# EAGLE board Mk4 Final a Panel score (EAGLE 9.0.1), part 13 of 24
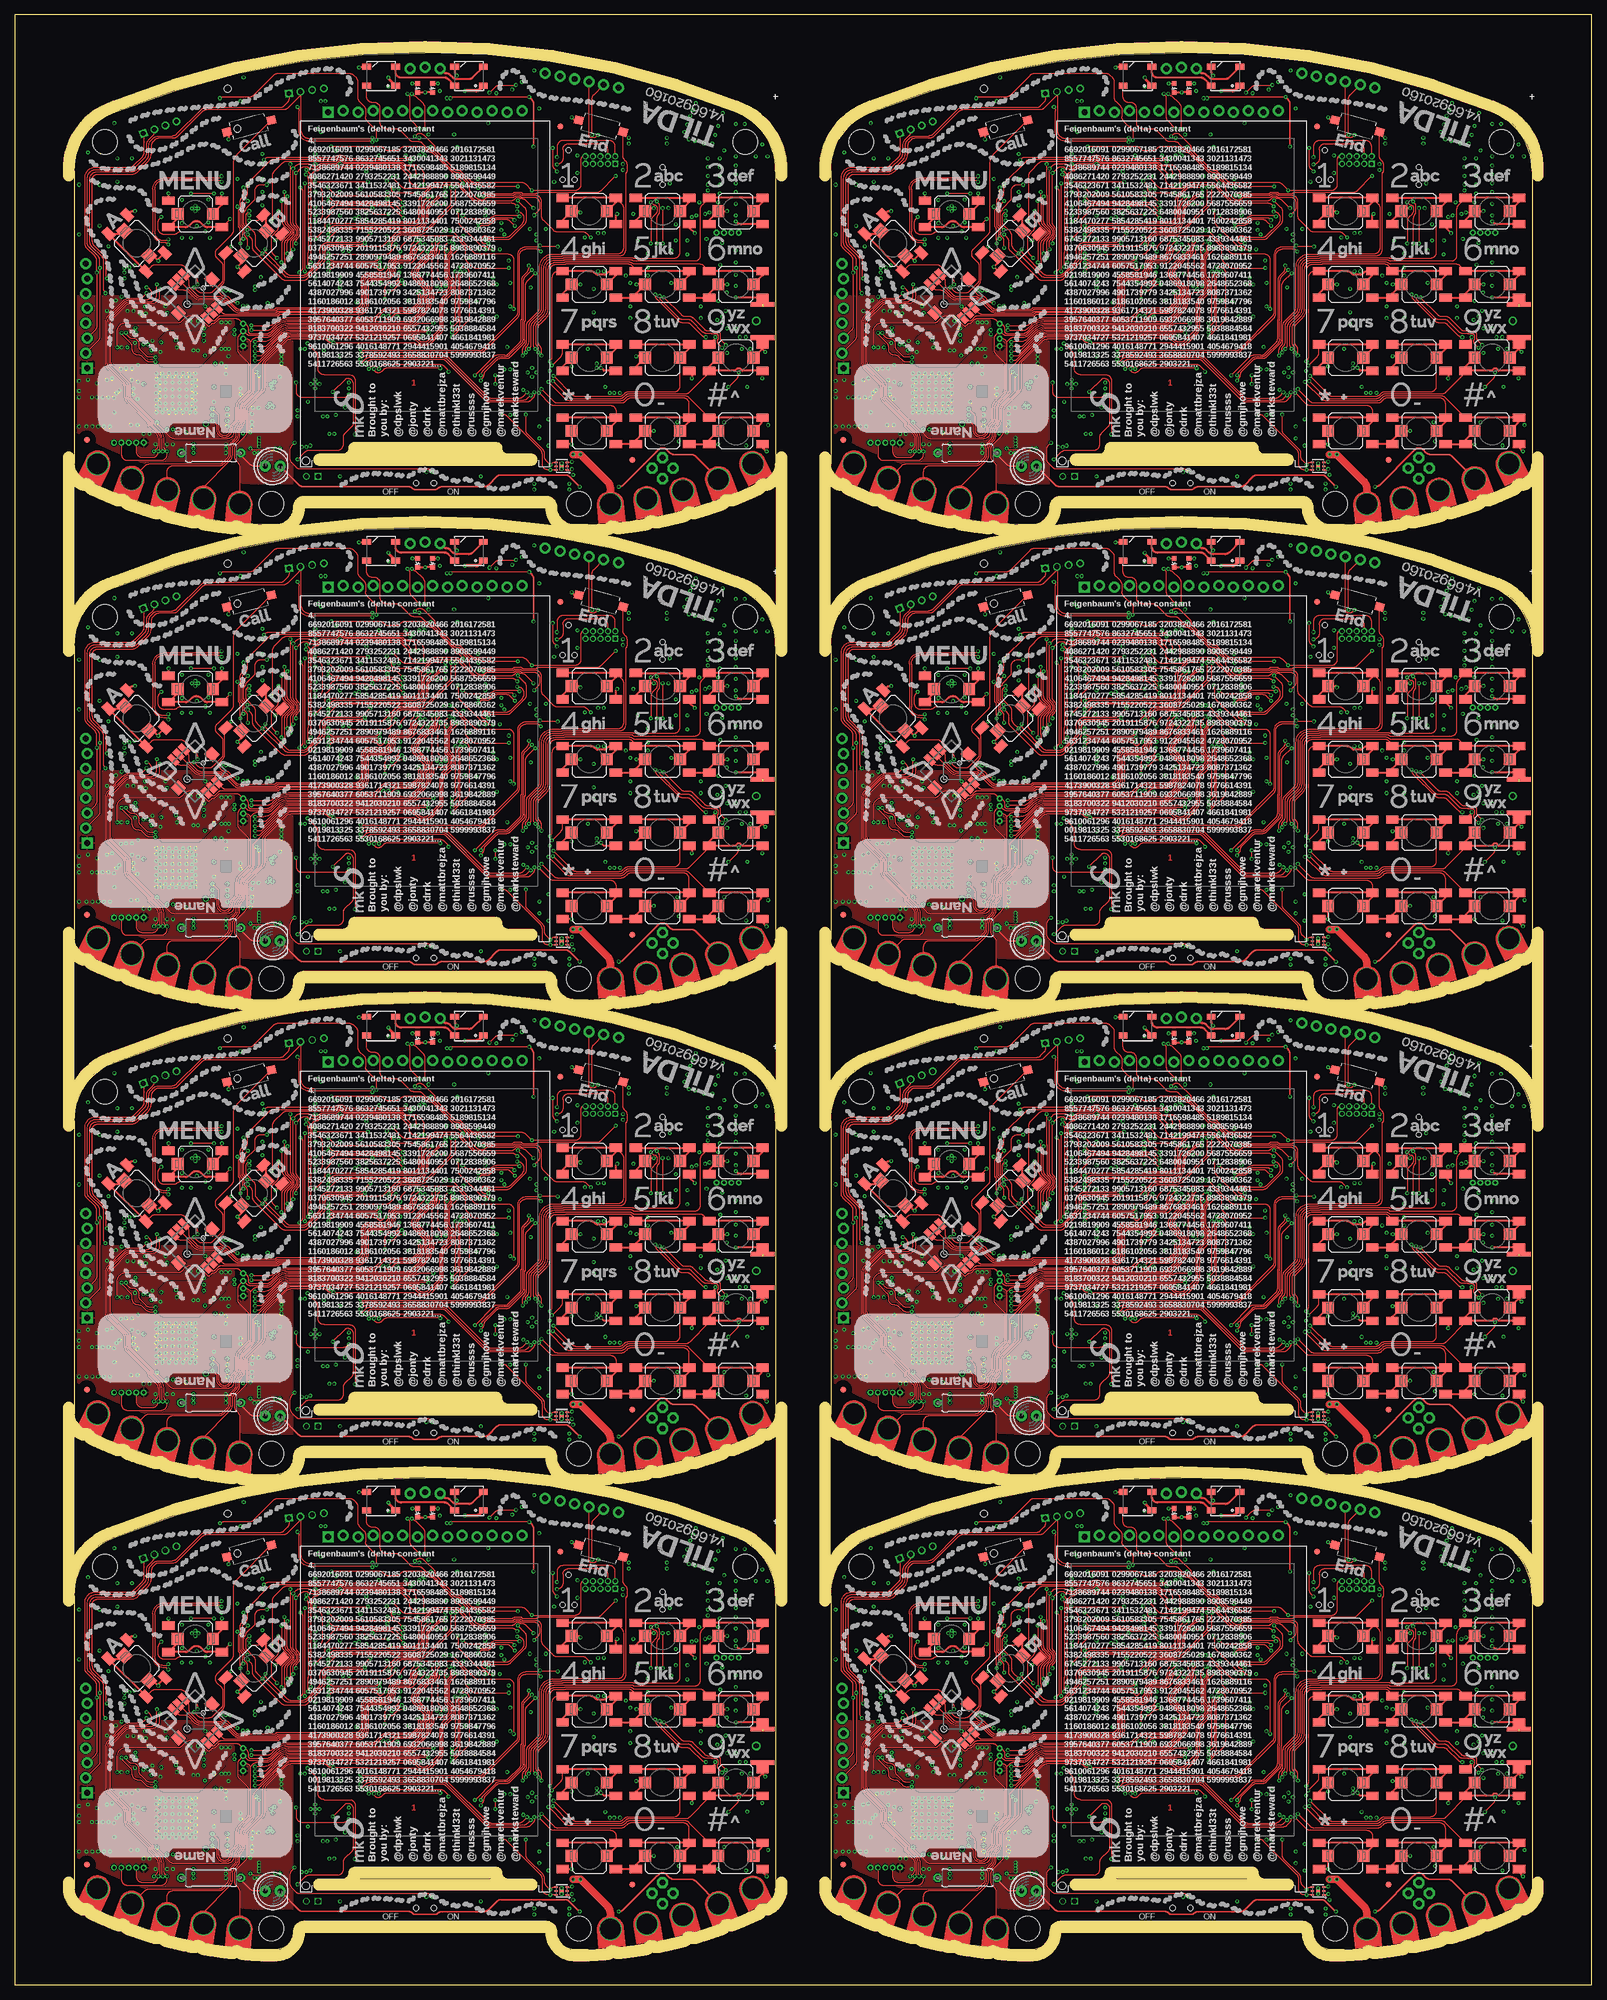
[diagram p0: board, top side]
## Tracks (layer width: path | path; a pad name or v marks a point on that pad's centre or on a via) (continued)
GND7  (via drill 0.3)  (1 unrouted) (continued)
  pour Top (rank 6): 139.2,288 139.2,265 arc34 176,256 176.5,256 176.5,288
GSM_ANT
  Bottom 0.4: L3.1 C72.2 121.26,43.6 arc45 120.56,43.31 119.59,42.34 arc-45 118.89,42.05 IC5.32
GSM_ANT1
  Bottom 0.4: L13.1 C173.2 250.26,43.6 arc45 249.56,43.31 248.59,42.34 arc-45 247.89,42.05 IC21.32
GSM_ANT2
  Bottom 0.4: L22.1 C281.2 121.26,124.6 arc45 120.56,124.31 119.59,123.34 arc-45 118.89,123.05 IC39.32
GSM_ANT3
  Bottom 0.4: L31.1 C389.2 250.26,124.6 arc45 249.56,124.31 248.59,123.34 arc-45 247.89,123.05 IC57.32
GSM_ANT4
  Bottom 0.4: L40.1 C497.2 121.26,205.6 arc45 120.56,205.31 119.59,204.34 arc-45 118.89,204.05 IC75.32
GSM_ANT5
  Bottom 0.4: L49.1 C605.2 250.26,205.6 arc45 249.56,205.31 248.59,204.34 arc-45 247.89,204.05 IC93.32
GSM_ANT6
  Bottom 0.4: L58.1 C713.2 121.26,286.6 arc45 120.56,286.31 119.59,285.34 arc-45 118.89,285.05 IC111.32
GSM_ANT7
  Bottom 0.4: L67.1 C821.2 250.26,286.6 arc45 249.56,286.31 248.59,285.34 arc-45 247.89,285.05 IC129.32
HDC_INT  (via drill 0.3)
  Top 0.15: v88.6,58.8 89.21,59.41 arc45 89.5,60.11 89.5,60.9 arc90 88.5,61.9 86.45,61.9 arc-45 86.31,61.96 86.2,62.07 arc45 86.06,62.12 85.54,62.12 arc45 85.4,62.07 85.29,61.96 arc-45 85.15,61.9 80.75,61.9 arc45 80.4,61.75 80.26,61.62 arc-45 79.91,61.48 79.44,61.48 arc-45 78.73,61.77 77.79,62.71 arc-45 77.5,63.41 77.5,63.53 arc45 77.21,64.23 76.31,65.13 arc45 75.96,65.28 arc-45 75.73,65.37 v75.6,65.5 | v79.5,30.6 arc-45 79.61,30.87 79.88,31.14 arc45 80.03,31.49 80.03,31.72 arc-45 80.17,32.07 82.11,34.01 arc-45 82.81,34.3 83.79,34.3 arc45 84.49,34.59 86.71,36.81 arc45 87,37.51 87,40.7 arc-45 87.03,40.77 87.1,40.83 arc45 87.12,40.9 87.12,46.81 arc-45 87.42,47.52 v88.8,48.9
  3V3@2 0.15: v88.8,48.9 88.8,51.2 87.1,52.9 87.1,58 88,58.9 88.5,58.9 v88.6,58.8
  Bottom 0.15: IC3.4 90.12,12 arc90 89.88,11.75 89.88,11.6 arc-90 89.62,11.35 88.8,11.35 arc-90 87.8,12.35 87.8,12.79 arc-45 88.09,13.49 88.34,13.74 arc-45 88.48,13.8 88.52,13.8 arc45 88.66,13.86 89.86,15.06 arc45 90.3,16.12 90.3,17.85 arc90 88.55,19.6 85.42,19.6 arc-45 84.53,19.97 79.57,24.93 arc-45 79.2,25.82 79.2,29.89 arc-45 v79.49,30.59 v79.5,30.6 | IC1.95 75.8,65.98 arc-45 v75.6,65.5
HDC_INT1  (via drill 0.3)
  Top 0.15: v217.6,58.8 218.21,59.41 arc45 218.5,60.11 218.5,60.9 arc90 217.5,61.9 215.45,61.9 arc-45 215.31,61.96 215.2,62.07 arc45 215.06,62.12 214.54,62.12 arc45 214.4,62.07 214.29,61.96 arc-45 214.15,61.9 209.75,61.9 arc45 209.4,61.75 209.26,61.62 arc-45 208.91,61.48 208.44,61.48 arc-45 207.73,61.77 206.79,62.71 arc-45 206.5,63.41 206.5,63.53 arc45 206.21,64.23 205.31,65.13 arc45 204.96,65.28 arc-45 204.73,65.37 v204.6,65.5 | v208.5,30.6 arc-45 208.61,30.87 208.88,31.14 arc45 209.03,31.49 209.03,31.72 arc-45 209.17,32.07 211.11,34.01 arc-45 211.81,34.3 212.79,34.3 arc45 213.49,34.59 215.71,36.81 arc45 216,37.51 216,40.7 arc-45 216.03,40.77 216.1,40.83 arc45 216.12,40.9 216.12,46.81 arc-45 216.42,47.52 v217.8,48.9
  3V3@2 0.15: v217.8,48.9 217.8,51.2 216.1,52.9 216.1,58 217,58.9 217.5,58.9 v217.6,58.8
  Bottom 0.15: IC35.4 219.12,12 arc90 218.88,11.75 218.88,11.6 arc-90 218.62,11.35 217.8,11.35 arc-90 216.8,12.35 216.8,12.79 arc-45 217.09,13.49 217.34,13.74 arc-45 217.48,13.8 217.52,13.8 arc45 217.66,13.86 218.86,15.06 arc45 219.3,16.12 219.3,17.85 arc90 217.55,19.6 214.42,19.6 arc-45 213.53,19.97 208.57,24.93 arc-45 208.2,25.82 208.2,29.89 arc-45 v208.49,30.59 v208.5,30.6 | IC20.95 204.8,65.98 arc-45 v204.6,65.5
HDC_INT2  (via drill 0.3)
  Top 0.15: v88.6,139.8 89.21,140.41 arc45 89.5,141.11 89.5,141.9 arc90 88.5,142.9 86.45,142.9 arc-45 86.31,142.96 86.2,143.07 arc45 86.06,143.12 85.54,143.12 arc45 85.4,143.07 85.29,142.96 arc-45 85.15,142.9 80.75,142.9 arc45 80.4,142.75 80.26,142.62 arc-45 79.91,142.47 79.44,142.47 arc-45 78.73,142.77 77.79,143.71 arc-45 77.5,144.41 77.5,144.53 arc45 77.21,145.24 76.31,146.13 arc45 75.96,146.28 arc-45 75.73,146.37 v75.6,146.5 | v79.5,111.6 arc-45 79.61,111.87 79.88,112.14 arc45 80.03,112.49 80.03,112.72 arc-45 80.17,113.07 82.11,115.01 arc-45 82.81,115.3 83.79,115.3 arc45 84.49,115.59 86.71,117.81 arc45 87,118.51 87,121.69 arc-45 87.03,121.77 87.1,121.83 arc45 87.12,121.9 87.12,127.81 arc-45 87.42,128.52 v88.8,129.9
  3V3@2 0.15: v88.8,129.9 88.8,132.2 87.1,133.9 87.1,139 88,139.9 88.5,139.9 v88.6,139.8
  Bottom 0.15: IC53.4 90.12,93 arc90 89.88,92.75 89.88,92.6 arc-90 89.62,92.35 88.8,92.35 arc-90 87.8,93.35 87.8,93.79 arc-45 88.09,94.49 88.34,94.74 arc-45 88.48,94.8 88.52,94.8 arc45 88.66,94.86 89.86,96.06 arc45 90.3,97.12 90.3,98.85 arc90 88.55,100.6 85.42,100.6 arc-45 84.53,100.97 79.57,105.93 arc-45 79.2,106.82 79.2,110.89 arc-45 v79.49,111.59 v79.5,111.6 | IC38.95 75.8,146.98 arc-45 v75.6,146.5
HDC_INT3  (via drill 0.3)
  Top 0.15: v217.6,139.8 218.21,140.41 arc45 218.5,141.11 218.5,141.9 arc90 217.5,142.9 215.45,142.9 arc-45 215.31,142.96 215.2,143.07 arc45 215.06,143.12 214.54,143.12 arc45 214.4,143.07 214.29,142.96 arc-45 214.15,142.9 209.75,142.9 arc45 209.4,142.75 209.26,142.62 arc-45 208.91,142.47 208.44,142.47 arc-45 207.73,142.77 206.79,143.71 arc-45 206.5,144.41 206.5,144.53 arc45 206.21,145.24 205.31,146.13 arc45 204.96,146.28 arc-45 204.73,146.37 v204.6,146.5 | v208.5,111.6 arc-45 208.61,111.87 208.88,112.14 arc45 209.03,112.49 209.03,112.72 arc-45 209.17,113.07 211.11,115.01 arc-45 211.81,115.3 212.79,115.3 arc45 213.49,115.59 215.71,117.81 arc45 216,118.51 216,121.69 arc-45 216.03,121.77 216.1,121.83 arc45 216.12,121.9 216.12,127.81 arc-45 216.42,128.52 v217.8,129.9
  3V3@2 0.15: v217.8,129.9 217.8,132.2 216.1,133.9 216.1,139 217,139.9 217.5,139.9 v217.6,139.8
  Bottom 0.15: IC71.4 219.12,93 arc90 218.88,92.75 218.88,92.6 arc-90 218.62,92.35 217.8,92.35 arc-90 216.8,93.35 216.8,93.79 arc-45 217.09,94.49 217.34,94.74 arc-45 217.48,94.8 217.52,94.8 arc45 217.66,94.86 218.86,96.06 arc45 219.3,97.12 219.3,98.85 arc90 217.55,100.6 214.42,100.6 arc-45 213.53,100.97 208.57,105.93 arc-45 208.2,106.82 208.2,110.89 arc-45 v208.49,111.59 v208.5,111.6 | IC56.95 204.8,146.98 arc-45 v204.6,146.5
HDC_INT4  (via drill 0.3)
  Top 0.15: v88.6,220.8 89.21,221.41 arc45 89.5,222.11 89.5,222.9 arc90 88.5,223.9 86.45,223.9 arc-45 86.31,223.96 86.2,224.07 arc45 86.06,224.12 85.54,224.12 arc45 85.4,224.07 85.29,223.96 arc-45 85.15,223.9 80.75,223.9 arc45 80.4,223.75 80.26,223.62 arc-45 79.91,223.47 79.44,223.47 arc-45 78.73,223.77 77.79,224.71 arc-45 77.5,225.41 77.5,225.53 arc45 77.21,226.24 76.31,227.13 arc45 75.96,227.28 arc-45 75.73,227.37 v75.6,227.5 | v79.5,192.6 arc-45 79.61,192.87 79.88,193.14 arc45 80.03,193.49 80.03,193.72 arc-45 80.17,194.07 82.11,196.01 arc-45 82.81,196.3 83.79,196.3 arc45 84.49,196.59 86.71,198.81 arc45 87,199.51 87,202.69 arc-45 87.03,202.76 87.1,202.83 arc45 87.12,202.9 87.12,208.81 arc-45 87.42,209.52 v88.8,210.9
  3V3@2 0.15: v88.8,210.9 88.8,213.2 87.1,214.9 87.1,220 88,220.9 88.5,220.9 v88.6,220.8
  Bottom 0.15: IC89.4 90.12,174 arc90 89.88,173.75 89.88,173.6 arc-90 89.62,173.35 88.8,173.35 arc-90 87.8,174.35 87.8,174.79 arc-45 88.09,175.49 88.34,175.74 arc-45 88.48,175.8 88.52,175.8 arc45 88.66,175.86 89.86,177.06 arc45 90.3,178.12 90.3,179.85 arc90 88.55,181.6 85.42,181.6 arc-45 84.53,181.97 79.57,186.93 arc-45 79.2,187.82 79.2,191.89 arc-45 v79.49,192.59 v79.5,192.6 | IC74.95 75.8,227.98 arc-45 v75.6,227.5
HDC_INT5  (via drill 0.3)
  Top 0.15: v217.6,220.8 218.21,221.41 arc45 218.5,222.11 218.5,222.9 arc90 217.5,223.9 215.45,223.9 arc-45 215.31,223.96 215.2,224.07 arc45 215.06,224.12 214.54,224.12 arc45 214.4,224.07 214.29,223.96 arc-45 214.15,223.9 209.75,223.9 arc45 209.4,223.75 209.26,223.62 arc-45 208.91,223.47 208.44,223.47 arc-45 207.73,223.77 206.79,224.71 arc-45 206.5,225.41 206.5,225.53 arc45 206.21,226.24 205.31,227.13 arc45 204.96,227.28 arc-45 204.73,227.37 v204.6,227.5 | v208.5,192.6 arc-45 208.61,192.87 208.88,193.14 arc45 209.03,193.49 209.03,193.72 arc-45 209.17,194.07 211.11,196.01 arc-45 211.81,196.3 212.79,196.3 arc45 213.49,196.59 215.71,198.81 arc45 216,199.51 216,202.69 arc-45 216.03,202.76 216.1,202.83 arc45 216.12,202.9 216.12,208.81 arc-45 216.42,209.52 v217.8,210.9
  3V3@2 0.15: v217.8,210.9 217.8,213.2 216.1,214.9 216.1,220 217,220.9 217.5,220.9 v217.6,220.8
  Bottom 0.15: IC107.4 219.12,174 arc90 218.88,173.75 218.88,173.6 arc-90 218.62,173.35 217.8,173.35 arc-90 216.8,174.35 216.8,174.79 arc-45 217.09,175.49 217.34,175.74 arc-45 217.48,175.8 217.52,175.8 arc45 217.66,175.86 218.86,177.06 arc45 219.3,178.12 219.3,179.85 arc90 217.55,181.6 214.42,181.6 arc-45 213.53,181.97 208.57,186.93 arc-45 208.2,187.82 208.2,191.89 arc-45 v208.49,192.59 v208.5,192.6 | IC92.95 204.8,227.98 arc-45 v204.6,227.5
HDC_INT6  (via drill 0.3)
  Top 0.15: v88.6,301.8 89.21,302.41 arc45 89.5,303.11 89.5,303.9 arc90 88.5,304.9 86.45,304.9 arc-45 86.31,304.96 86.2,305.07 arc45 86.06,305.12 85.54,305.12 arc45 85.4,305.07 85.29,304.96 arc-45 85.15,304.9 80.75,304.9 arc45 80.4,304.75 80.26,304.62 arc-45 79.91,304.48 79.44,304.48 arc-45 78.73,304.77 77.79,305.71 arc-45 77.5,306.41 77.5,306.53 arc45 77.21,307.24 76.31,308.13 arc45 75.96,308.27 arc-45 75.73,308.37 v75.6,308.5 | v79.5,273.6 arc-45 79.61,273.87 79.88,274.14 arc45 80.03,274.49 80.03,274.72 arc-45 80.17,275.07 82.11,277.01 arc-45 82.81,277.3 83.79,277.3 arc45 84.49,277.59 86.71,279.81 arc45 87,280.51 87,283.69 arc-45 87.03,283.76 87.1,283.83 arc45 87.12,283.9 87.12,289.81 arc-45 87.42,290.52 v88.8,291.9
  3V3@2 0.15: v88.8,291.9 88.8,294.2 87.1,295.9 87.1,301 88,301.9 88.5,301.9 v88.6,301.8
  Bottom 0.15: IC125.4 90.12,255 arc90 89.88,254.75 89.88,254.6 arc-90 89.62,254.35 88.8,254.35 arc-90 87.8,255.35 87.8,255.79 arc-45 88.09,256.49 88.34,256.74 arc-45 88.48,256.8 88.52,256.8 arc45 88.66,256.86 89.86,258.06 arc45 90.3,259.12 90.3,260.85 arc90 88.55,262.6 85.42,262.6 arc-45 84.53,262.97 79.57,267.93 arc-45 79.2,268.82 79.2,272.89 arc-45 v79.49,273.59 v79.5,273.6 | IC110.95 75.8,308.98 arc-45 v75.6,308.5
HDC_INT7  (via drill 0.3)
  Top 0.15: v217.6,301.8 218.21,302.41 arc45 218.5,303.11 218.5,303.9 arc90 217.5,304.9 215.45,304.9 arc-45 215.31,304.96 215.2,305.07 arc45 215.06,305.12 214.54,305.12 arc45 214.4,305.07 214.29,304.96 arc-45 214.15,304.9 209.75,304.9 arc45 209.4,304.75 209.26,304.62 arc-45 208.91,304.48 208.44,304.48 arc-45 207.73,304.77 206.79,305.71 arc-45 206.5,306.41 206.5,306.53 arc45 206.21,307.24 205.31,308.13 arc45 204.96,308.27 arc-45 204.73,308.37 v204.6,308.5 | v208.5,273.6 arc-45 208.61,273.87 208.88,274.14 arc45 209.03,274.49 209.03,274.72 arc-45 209.17,275.07 211.11,277.01 arc-45 211.81,277.3 212.79,277.3 arc45 213.49,277.59 215.71,279.81 arc45 216,280.51 216,283.69 arc-45 216.03,283.76 216.1,283.83 arc45 216.12,283.9 216.12,289.81 arc-45 216.42,290.52 v217.8,291.9
  3V3@2 0.15: v217.8,291.9 217.8,294.2 216.1,295.9 216.1,301 217,301.9 217.5,301.9 v217.6,301.8
  Bottom 0.15: IC143.4 219.12,255 arc90 218.88,254.75 218.88,254.6 arc-90 218.62,254.35 217.8,254.35 arc-90 216.8,255.35 216.8,255.79 arc-45 217.09,256.49 217.34,256.74 arc-45 217.48,256.8 217.52,256.8 arc45 217.66,256.86 218.86,258.06 arc45 219.3,259.12 219.3,260.85 arc90 217.55,262.6 214.42,262.6 arc-45 213.53,262.97 208.57,267.93 arc-45 208.2,268.82 208.2,272.89 arc-45 v208.49,273.59 v208.5,273.6 | IC128.95 204.8,308.98 arc-45 v204.6,308.5
HEADSET_DET  (via drill 0.3)
  Top 0.15: v35,78.75 arc-45 35.6,79 40.09,79 arc45 40.79,79.29 44.21,82.71 arc-45 44.91,83 57.09,83 arc-45 57.79,82.71 58.21,82.29 arc-45 58.5,81.59 58.5,78.91 arc45 58.79,78.21 59.55,77.45 arc-45 59.84,76.75 59.84,75.57 arc45 60.13,74.87 61.6,73.4 arc-45 61.69,73.19 v61.69,71.62
  3V3@2 0.15: v61.69,71.62 61.69,69.59 61.3,69.2 61.3,68.3 61.8,67.8 66.2,67.8 66.9,67.1 66.9,65.8 67.9,64.8 78.52,64.8 arc45 v79,65
  Bottom 0.15: IC1.98 78.52,64.8 arc45 v79,65
  Bottom 0.4: J9.7 34.42,78.17 v35,78.75
HEADSET_DET1  (via drill 0.3)
  Top 0.15: v164,78.75 arc-45 164.6,79 169.09,79 arc45 169.79,79.29 173.21,82.71 arc-45 173.91,83 186.09,83 arc-45 186.79,82.71 187.21,82.29 arc-45 187.5,81.59 187.5,78.91 arc45 187.79,78.21 188.55,77.45 arc-45 188.84,76.75 188.84,75.57 arc45 189.13,74.87 190.6,73.4 arc-45 190.69,73.19 v190.69,71.62
  3V3@2 0.15: v190.69,71.62 190.69,69.59 190.3,69.2 190.3,68.3 190.8,67.8 195.2,67.8 195.9,67.1 195.9,65.8 196.9,64.8 207.52,64.8 arc45 v208,65
  Bottom 0.15: IC20.98 207.52,64.8 arc45 v208,65
  Bottom 0.4: J17.7 163.43,78.17 v164,78.75
HEADSET_DET2  (via drill 0.3)
  Top 0.15: v35,159.75 arc-45 35.6,160 40.09,160 arc45 40.79,160.29 44.21,163.71 arc-45 44.91,164 57.09,164 arc-45 57.79,163.71 58.21,163.29 arc-45 58.5,162.59 58.5,159.91 arc45 58.79,159.21 59.55,158.45 arc-45 59.84,157.75 59.84,156.57 arc45 60.13,155.87 61.6,154.4 arc-45 61.69,154.19 v61.69,152.62
  3V3@2 0.15: v61.69,152.62 61.69,150.59 61.3,150.2 61.3,149.3 61.8,148.8 66.2,148.8 66.9,148.1 66.9,146.8 67.9,145.8 78.52,145.8 arc45 v79,146
  Bottom 0.15: IC38.98 78.52,145.8 arc45 v79,146
  Bottom 0.4: J27.7 34.42,159.18 v35,159.75
HEADSET_DET3  (via drill 0.3)
  Top 0.15: v164,159.75 arc-45 164.6,160 169.09,160 arc45 169.79,160.29 173.21,163.71 arc-45 173.91,164 186.09,164 arc-45 186.79,163.71 187.21,163.29 arc-45 187.5,162.59 187.5,159.91 arc45 187.79,159.21 188.55,158.45 arc-45 188.84,157.75 188.84,156.57 arc45 189.13,155.87 190.6,154.4 arc-45 190.69,154.19 v190.69,152.62
  3V3@2 0.15: v190.69,152.62 190.69,150.59 190.3,150.2 190.3,149.3 190.8,148.8 195.2,148.8 195.9,148.1 195.9,146.8 196.9,145.8 207.52,145.8 arc45 v208,146
  Bottom 0.15: IC56.98 207.52,145.8 arc45 v208,146
  Bottom 0.4: J37.7 163.43,159.18 v164,159.75
HEADSET_DET4  (via drill 0.3)
  Top 0.15: v35,240.75 arc-45 35.6,241 40.09,241 arc45 40.79,241.29 44.21,244.71 arc-45 44.91,245 57.09,245 arc-45 57.79,244.71 58.21,244.29 arc-45 58.5,243.59 58.5,240.91 arc45 58.79,240.21 59.55,239.45 arc-45 59.84,238.75 59.84,237.57 arc45 60.13,236.87 61.6,235.4 arc-45 61.69,235.19 v61.69,233.62
  3V3@2 0.15: v61.69,233.62 61.69,231.59 61.3,231.2 61.3,230.3 61.8,229.8 66.2,229.8 66.9,229.1 66.9,227.8 67.9,226.8 78.52,226.8 arc45 v79,227
  Bottom 0.15: IC74.98 78.52,226.8 arc45 v79,227
  Bottom 0.4: J47.7 34.42,240.18 v35,240.75
HEADSET_DET5  (via drill 0.3)
  Top 0.15: v164,240.75 arc-45 164.6,241 169.09,241 arc45 169.79,241.29 173.21,244.71 arc-45 173.91,245 186.09,245 arc-45 186.79,244.71 187.21,244.29 arc-45 187.5,243.59 187.5,240.91 arc45 187.79,240.21 188.55,239.45 arc-45 188.84,238.75 188.84,237.57 arc45 189.13,236.87 190.6,235.4 arc-45 190.69,235.19 v190.69,233.62
  3V3@2 0.15: v190.69,233.62 190.69,231.59 190.3,231.2 190.3,230.3 190.8,229.8 195.2,229.8 195.9,229.1 195.9,227.8 196.9,226.8 207.52,226.8 arc45 v208,227
  Bottom 0.15: IC92.98 207.52,226.8 arc45 v208,227
  Bottom 0.4: J57.7 163.43,240.18 v164,240.75
HEADSET_DET6  (via drill 0.3)
  Top 0.15: v35,321.75 arc-45 35.6,322 40.09,322 arc45 40.79,322.29 44.21,325.71 arc-45 44.91,326 57.09,326 arc-45 57.79,325.71 58.21,325.29 arc-45 58.5,324.59 58.5,321.91 arc45 58.79,321.21 59.55,320.45 arc-45 59.84,319.75 59.84,318.57 arc45 60.13,317.87 61.6,316.4 arc-45 61.69,316.19 v61.69,314.62
  3V3@2 0.15: v61.69,314.62 61.69,312.59 61.3,312.2 61.3,311.3 61.8,310.8 66.2,310.8 66.9,310.1 66.9,308.8 67.9,307.8 78.52,307.8 arc45 v79,308
  Bottom 0.15: IC110.98 78.52,307.8 arc45 v79,308
  Bottom 0.4: J67.7 34.42,321.18 v35,321.75
HEADSET_DET7  (via drill 0.3)
  Top 0.15: v164,321.75 arc-45 164.6,322 169.09,322 arc45 169.79,322.29 173.21,325.71 arc-45 173.91,326 186.09,326 arc-45 186.79,325.71 187.21,325.29 arc-45 187.5,324.59 187.5,321.91 arc45 187.79,321.21 188.55,320.45 arc-45 188.84,319.75 188.84,318.57 arc45 189.13,317.87 190.6,316.4 arc-45 190.69,316.19 v190.69,314.62
  3V3@2 0.15: v190.69,314.62 190.69,312.59 190.3,312.2 190.3,311.3 190.8,310.8 195.2,310.8 195.9,310.1 195.9,308.8 196.9,307.8 207.52,307.8 arc45 v208,308
  Bottom 0.15: IC128.98 207.52,307.8 arc45 v208,308
  Bottom 0.4: J77.7 163.43,321.18 v164,321.75
I2C4_SCL  (via drill 0.3)
  Top 0.15: v74,32.1 74,32.3 73.29,33.01 arc45 72.59,33.3 63.21,33.3 arc45 62.51,33.01 v62.1,32.6 61.78,32.92 arc90 60.72,32.92 v60.4,32.6 | v87.2,24.8 87.2,22.14 arc45 87.49,21.43 90.01,18.92 arc-45 90.3,18.21 90.3,17.71 arc45 90.59,17.01 v91.35,16.25 91.46,16.36 arc-45 92.16,16.65 IC17.4
  3V3@2 0.15: v57,52.7 56.3,53.4 56.3,57.8 56.55,58.05 56.55,60.55 57,61 59,61 61.4,63.4 63.95,63.4 64.5,62.85 65.05,62.85 65.5,63.3 v65.5,63.4
  Bottom 0.15: IC8.5 52,32.3 arc-90 53,33.3 55.38,33.3 arc-45 56.27,32.93 56.51,32.69 arc45 57.21,32.4 60.12,32.4 arc45 60.26,32.46 v60.4,32.6 | IC4.19 84.75,30.75 | IC16.1 86.25,27.5 86.28,27.52 | 86.28,27.52 arc90 86.28,28.23 85.04,29.46 arc-45 84.75,30.16 84.75,30.75 | 84.75,30.75 82.16,30.75 arc-45 81.46,31.04 80.69,31.81 arc45 79.99,32.1 v74,32.1 | v62.1,32.6 61.7,33 61.7,36.38 arc45 61.33,37.27 56.99,41.61 arc-45 56.7,42.31 56.7,51.99 arc-45 v56.99,52.69 v57,52.7 57.05,52.75 R22.1 | v87.2,24.8 87.2,26.39 arc45 87.05,26.75 86.28,27.52 | IC1.61 64.69,64 arc-45 65.05,63.85 v65.5,63.4 | IC3.6 90.72,14.88 arc45 90.7,14.95 90.63,15.02 arc-45 90.6,15.09 90.6,15.29 arc-45 90.75,15.65 v91.35,16.25
I2C4_SCL1  (via drill 0.3)
  Top 0.15: v203,32.1 203,32.3 202.29,33.01 arc45 201.59,33.3 192.21,33.3 arc45 191.51,33.01 v191.1,32.6 190.78,32.92 arc90 189.72,32.92 v189.4,32.6 | v216.2,24.8 216.2,22.14 arc45 216.49,21.43 219.01,18.92 arc-45 219.3,18.21 219.3,17.71 arc45 219.59,17.01 v220.35,16.25 220.46,16.36 arc-45 221.16,16.65 IC34.4
  3V3@2 0.15: v186,52.7 185.3,53.4 185.3,57.8 185.55,58.05 185.55,60.55 186,61 188,61 190.4,63.4 192.95,63.4 193.5,62.85 194.05,62.85 194.5,63.3 v194.5,63.4
  Bottom 0.15: IC24.5 181,32.3 arc-90 182,33.3 184.38,33.3 arc-45 185.27,32.93 185.51,32.69 arc45 186.21,32.4 189.12,32.4 arc45 189.26,32.46 v189.4,32.6 | IC31.19 213.75,30.75 | IC32.1 215.25,27.5 215.28,27.52 | 215.28,27.52 arc90 215.28,28.23 214.04,29.46 arc-45 213.75,30.16 213.75,30.75 | 213.75,30.75 211.16,30.75 arc-45 210.46,31.04 209.69,31.81 arc45 208.99,32.1 v203,32.1 | v191.1,32.6 190.7,33 190.7,36.38 arc45 190.33,37.27 185.99,41.61 arc-45 185.7,42.31 185.7,51.99 arc-45 v185.99,52.69 v186,52.7 186.05,52.75 R104.1 | v216.2,24.8 216.2,26.39 arc45 216.05,26.75 215.28,27.52 | IC20.61 193.69,64 arc-45 194.05,63.85 v194.5,63.4 | IC35.6 219.72,14.88 arc45 219.7,14.95 219.63,15.02 arc-45 219.6,15.09 219.6,15.29 arc-45 219.75,15.65 v220.35,16.25
I2C4_SCL2  (via drill 0.3)
  Top 0.15: v74,113.1 74,113.3 73.29,114.01 arc45 72.59,114.3 63.21,114.3 arc45 62.51,114.01 v62.1,113.6 61.78,113.92 arc90 60.72,113.92 v60.4,113.6 | v87.2,105.8 87.2,103.14 arc45 87.49,102.43 90.01,99.92 arc-45 90.3,99.21 90.3,98.71 arc45 90.59,98.01 v91.35,97.25 91.46,97.36 arc-45 92.16,97.65 IC52.4
  3V3@2 0.15: v57,133.7 56.3,134.4 56.3,138.8 56.55,139.05 56.55,141.55 57,142 59,142 61.4,144.4 63.95,144.4 64.5,143.85 65.05,143.85 65.5,144.3 v65.5,144.4
  Bottom 0.15: IC42.5 52,113.3 arc-90 53,114.3 55.38,114.3 arc-45 56.27,113.93 56.51,113.69 arc45 57.21,113.4 60.12,113.4 arc45 60.26,113.46 v60.4,113.6 | IC49.19 84.75,111.75 | IC50.1 86.25,108.5 86.28,108.53 | 86.28,108.53 arc90 86.28,109.22 85.04,110.46 arc-45 84.75,111.16 84.75,111.75 | 84.75,111.75 82.16,111.75 arc-45 81.46,112.04 80.69,112.81 arc45 79.99,113.1 v74,113.1 | v62.1,113.6 61.7,114 61.7,117.38 arc45 61.33,118.27 56.99,122.61 arc-45 56.7,123.31 56.7,132.99 arc-45 v56.99,133.69 v57,133.7 57.05,133.75 R182.1 | v87.2,105.8 87.2,107.39 arc45 87.05,107.75 86.28,108.53 | IC38.61 64.69,145 arc-45 65.05,144.85 v65.5,144.4 | IC53.6 90.72,95.88 arc45 90.7,95.95 90.63,96.02 arc-45 90.6,96.09 90.6,96.29 arc-45 90.75,96.65 v91.35,97.25
I2C4_SCL3  (via drill 0.3)
  Top 0.15: v203,113.1 203,113.3 202.29,114.01 arc45 201.59,114.3 192.21,114.3 arc45 191.51,114.01 v191.1,113.6 190.78,113.92 arc90 189.72,113.92 v189.4,113.6 | v216.2,105.8 216.2,103.14 arc45 216.49,102.43 219.01,99.92 arc-45 219.3,99.21 219.3,98.71 arc45 219.59,98.01 v220.35,97.25 220.46,97.36 arc-45 221.16,97.65 IC70.4
  3V3@2 0.15: v186,133.7 185.3,134.4 185.3,138.8 185.55,139.05 185.55,141.55 186,142 188,142 190.4,144.4 192.95,144.4 193.5,143.85 194.05,143.85 194.5,144.3 v194.5,144.4
  Bottom 0.15: IC60.5 181,113.3 arc-90 182,114.3 184.38,114.3 arc-45 185.27,113.93 185.51,113.69 arc45 186.21,113.4 189.12,113.4 arc45 189.26,113.46 v189.4,113.6 | IC67.19 213.75,111.75 | IC68.1 215.25,108.5 215.28,108.53 | 215.28,108.53 arc90 215.28,109.22 214.04,110.46 arc-45 213.75,111.16 213.75,111.75 | 213.75,111.75 211.16,111.75 arc-45 210.46,112.04 209.69,112.81 arc45 208.99,113.1 v203,113.1 | v191.1,113.6 190.7,114 190.7,117.38 arc45 190.33,118.27 185.99,122.61 arc-45 185.7,123.31 185.7,132.99 arc-45 v185.99,133.69 v186,133.7 186.05,133.75 R260.1 | v216.2,105.8 216.2,107.39 arc45 216.05,107.75 215.28,108.53 | IC56.61 193.69,145 arc-45 194.05,144.85 v194.5,144.4 | IC71.6 219.72,95.88 arc45 219.7,95.95 219.63,96.02 arc-45 219.6,96.09 219.6,96.29 arc-45 219.75,96.65 v220.35,97.25
I2C4_SCL4  (via drill 0.3)
  Top 0.15: v74,194.1 74,194.3 73.29,195.01 arc45 72.59,195.3 63.21,195.3 arc45 62.51,195.01 v62.1,194.6 61.78,194.92 arc90 60.72,194.92 v60.4,194.6 | v87.2,186.8 87.2,184.14 arc45 87.49,183.43 90.01,180.92 arc-45 90.3,180.21 90.3,179.71 arc45 90.59,179.01 v91.35,178.25 91.46,178.36 arc-45 92.16,178.65 IC88.4
  3V3@2 0.15: v57,214.7 56.3,215.4 56.3,219.8 56.55,220.05 56.55,222.55 57,223 59,223 61.4,225.4 63.95,225.4 64.5,224.85 65.05,224.85 65.5,225.3 v65.5,225.4
  Bottom 0.15: IC78.5 52,194.3 arc-90 53,195.3 55.38,195.3 arc-45 56.27,194.93 56.51,194.69 arc45 57.21,194.4 60.12,194.4 arc45 60.26,194.46 v60.4,194.6 | IC85.19 84.75,192.75 | IC86.1 86.25,189.5 86.28,189.53 | 86.28,189.53 arc90 86.28,190.22 85.04,191.46 arc-45 84.75,192.16 84.75,192.75 | 84.75,192.75 82.16,192.75 arc-45 81.46,193.04 80.69,193.81 arc45 79.99,194.1 v74,194.1 | v62.1,194.6 61.7,195 61.7,198.38 arc45 61.33,199.27 56.99,203.61 arc-45 56.7,204.31 56.7,213.99 arc-45 v56.99,214.69 v57,214.7 57.05,214.75 R338.1 | v87.2,186.8 87.2,188.39 arc45 87.05,188.75 86.28,189.53 | IC74.61 64.69,226 arc-45 65.05,225.85 v65.5,225.4 | IC89.6 90.72,176.88 arc45 90.7,176.95 90.63,177.02 arc-45 90.6,177.09 90.6,177.29 arc-45 90.75,177.65 v91.35,178.25
I2C4_SCL5  (via drill 0.3)
  Top 0.15: v203,194.1 203,194.3 202.29,195.01 arc45 201.59,195.3 192.21,195.3 arc45 191.51,195.01 v191.1,194.6 190.78,194.92 arc90 189.72,194.92 v189.4,194.6 | v216.2,186.8 216.2,184.14 arc45 216.49,183.43 219.01,180.92 arc-45 219.3,180.21 219.3,179.71 arc45 219.59,179.01 v220.35,178.25 220.46,178.36 arc-45 221.16,178.65 IC106.4
  3V3@2 0.15: v186,214.7 185.3,215.4 185.3,219.8 185.55,220.05 185.55,222.55 186,223 188,223 190.4,225.4 192.95,225.4 193.5,224.85 194.05,224.85 194.5,225.3 v194.5,225.4
  Bottom 0.15: IC96.5 181,194.3 arc-90 182,195.3 184.38,195.3 arc-45 185.27,194.93 185.51,194.69 arc45 186.21,194.4 189.12,194.4 arc45 189.26,194.46 v189.4,194.6 | IC103.19 213.75,192.75 | IC104.1 215.25,189.5 215.28,189.53 | 215.28,189.53 arc90 215.28,190.22 214.04,191.46 arc-45 213.75,192.16 213.75,192.75 | 213.75,192.75 211.16,192.75 arc-45 210.46,193.04 209.69,193.81 arc45 208.99,194.1 v203,194.1 | v191.1,194.6 190.7,195 190.7,198.38 arc45 190.33,199.27 185.99,203.61 arc-45 185.7,204.31 185.7,213.99 arc-45 v185.99,214.69 v186,214.7 186.05,214.75 R416.1 | v216.2,186.8 216.2,188.39 arc45 216.05,188.75 215.28,189.53 | IC92.61 193.69,226 arc-45 194.05,225.85 v194.5,225.4 | IC107.6 219.72,176.88 arc45 219.7,176.95 219.63,177.02 arc-45 219.6,177.09 219.6,177.29 arc-45 219.75,177.65 v220.35,178.25
I2C4_SCL6  (via drill 0.3)
  Top 0.15: v74,275.1 74,275.3 73.29,276.01 arc45 72.59,276.3 63.21,276.3 arc45 62.51,276.01 v62.1,275.6 61.78,275.92 arc90 60.72,275.92 v60.4,275.6 | v87.2,267.8 87.2,265.14 arc45 87.49,264.43 90.01,261.92 arc-45 90.3,261.21 90.3,260.71 arc45 90.59,260.01 v91.35,259.25 91.46,259.36 arc-45 92.16,259.65 IC124.4
  3V3@2 0.15: v57,295.7 56.3,296.4 56.3,300.8 56.55,301.05 56.55,303.55 57,304 59,304 61.4,306.4 63.95,306.4 64.5,305.85 65.05,305.85 65.5,306.3 v65.5,306.4
  Bottom 0.15: IC114.5 52,275.3 arc-90 53,276.3 55.38,276.3 arc-45 56.27,275.93 56.51,275.69 arc45 57.21,275.4 60.12,275.4 arc45 60.26,275.46 v60.4,275.6 | IC121.19 84.75,273.75 | IC122.1 86.25,270.5 86.28,270.52 | 86.28,270.52 arc90 86.28,271.23 85.04,272.46 arc-45 84.75,273.16 84.75,273.75 | 84.75,273.75 82.16,273.75 arc-45 81.46,274.04 80.69,274.81 arc45 79.99,275.1 v74,275.1 | v62.1,275.6 61.7,276 61.7,279.38 arc45 61.33,280.27 56.99,284.61 arc-45 56.7,285.31 56.7,294.99 arc-45 v56.99,295.69 v57,295.7 57.05,295.75 R494.1 | v87.2,267.8 87.2,269.39 arc45 87.05,269.75 86.28,270.52 | IC110.61 64.69,307 arc-45 65.05,306.85 v65.5,306.4 | IC125.6 90.72,257.88 arc45 90.7,257.95 90.63,258.02 arc-45 90.6,258.09 90.6,258.29 arc-45 90.75,258.65 v91.35,259.25